# KiCad board traffic_paradise.kicad_pcb (continued)
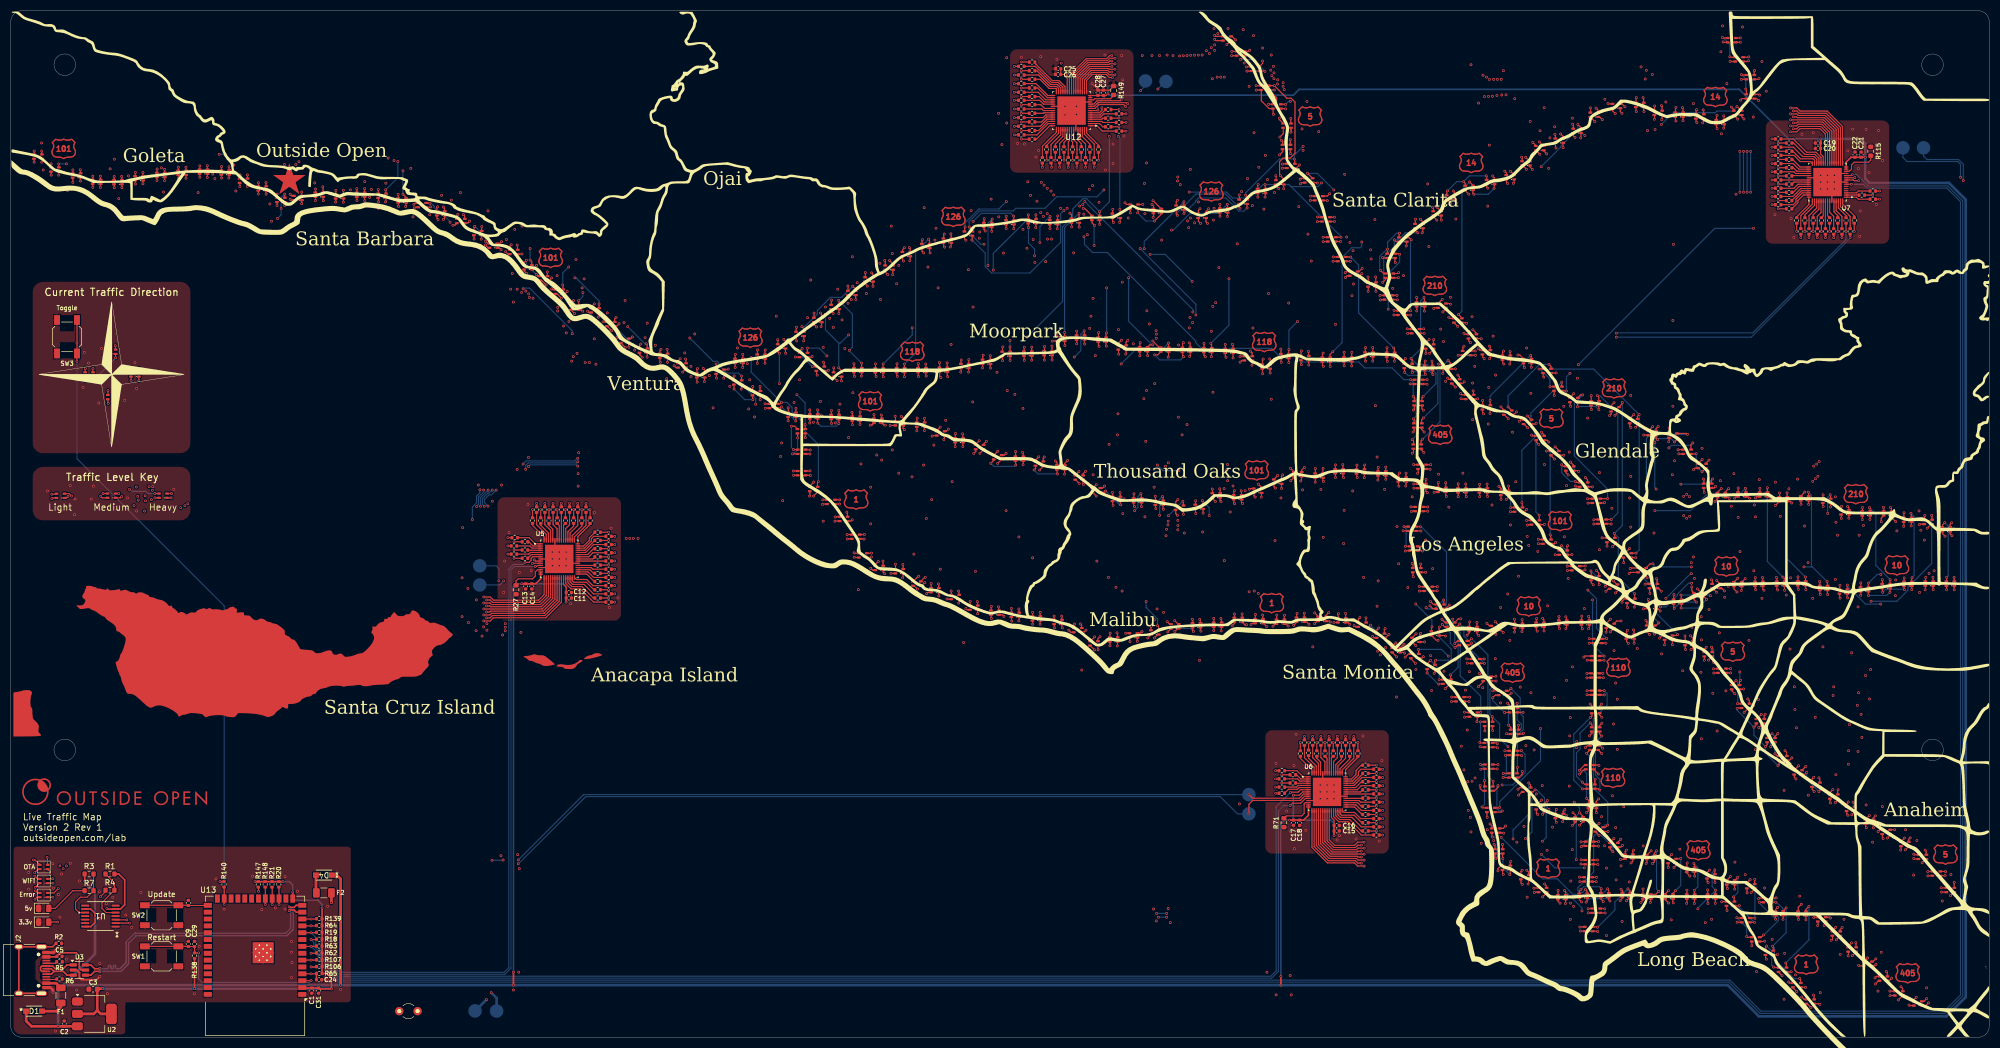
[diagram p0: board, top side]
## Routing (per net, layer and track width the routed paths; a pad name or vN(x,y) marks a point on that pad's centre or on a via; arc(x,y) is an arc through that point) (continued)
Net-(LED307-GK): length 238.7
  Top w0.203: 346.72,37.65 346.72,36.93 v1(346.85,36.8) ; 353.43,33.03 352.62,33.03 v1(352.52,33.13) ; 358.61,26.88 357.67,26.88 v1(357.65,26.9) ; 350.18,35.42 350.18,34.78 v1(350.08,34.68) ; 274.3,75.45 274.35,75.45 v1(275.12,74.68) ; 356.02,29.93 355.18,29.93 v1(355.15,29.9) ; R132.2 v1(338.46,149.36) ; 270.2,75.25 270.2,74.95 v1(269.77,74.53) ; 343.62,39.53 343.62,38.95 v1(343.75,38.83) ; v1(278.55,75.1) 278.6,75.15 278.6,75.85
  In1.Cu w0.203: v1(357.65,26.9) 355.15,29.4 v1(355.15,29.9) 352.52,32.53 v1(352.52,33.13) 351.62,33.13 v1(350.08,34.68) 348.98,34.68 v1(346.85,36.8) 345.77,36.8 v1(343.75,38.83) 338.15,38.83 325.63,51.35 325.63,51.57 317.72,59.48 v1(317.72,64.19) ; v1(278.55,75.1) 277.95,74.5 275.3,74.5 v1(275.12,74.68)
  In2.Cu w0.203: v1(275.12,74.68) 274.78,75.02 270.27,75.02 v1(269.77,74.53) ; v1(278.55,75.1) 280.32,73.33 289.8,73.33 294.54,68.6 307.64,68.6 310.52,65.72 316.2,65.72 v1(317.72,64.19) ; v1(346.85,36.8) 346.85,40.3 345.5,41.65 345.5,98.36 337.26,106.6 337.26,110.4 337.26,110.41 337.26,147.06 338.46,148.25 v1(338.46,149.36)
Net-(LED307-RK): length 236.5
  Top w0.203: v1(279.95,75.18) 280,75.23 280,75.85 ; 345.02,39.53 345.02,38.83 v1(345.05,38.8) ; 354.83,33.03 354.78,33.03 v1(354.08,32.33) ; 348.12,37.65 348.12,37.4 v1(347.65,36.93) ; v1(358.35,29.98) 358.31,29.93 357.42,29.93 ; R131.2 v1(337.69,148.21) ; 271.6,75.25 271.6,74.8 v1(271.93,74.48) ; v1(359.33,26.25) 359.96,26.88 360.01,26.88 ; v1(276.48,75.03) 276.05,75.45 275.7,75.45 ; v1(350.95,34.73) 351.58,35.35 351.58,35.42
  In1.Cu w0.203: v1(276.48,75.03) 277.07,75.62 279.51,75.62 v1(279.95,75.18) ; 337.69,148.19 v1(337.69,148.21) ; v1(358.35,29.98) 359.33,29 v1(359.33,26.25) ; v1(350.95,34.73) 348.75,36.93 v1(347.65,36.93) 347.21,37.37 345.9,37.37 345.05,38.22 v1(345.05,38.8) 342.1,41.75 341.42,41.75 339.49,43.68 339,43.68 335.11,47.56 332.62,47.56 330.08,50.1 330.08,50.54 326.1,54.51 325.16,54.51 320.54,59.14 320.54,61.1 320.81,61.37 320.81,63.9 v1(318.63,66.08)
  In2.Cu w0.203: v1(279.95,75.18) 281.06,74.06 289.59,74.06 294.69,68.96 307.79,68.96 310.67,66.08 v1(318.63,66.08) ; v1(358.35,29.98) 356,32.33 v1(354.08,32.33) 354.08,33.11 352.46,34.73 v1(350.95,34.73) ; v1(337.69,148.21) 336.89,147.42 336.89,110.26 336.9,110.25 336.9,106.45 345.14,98.21 345.14,41.5 344.89,41.25 344.89,38.96 v1(345.05,38.8) ; v1(276.48,75.03) 275.6,74.15 272.25,74.15 v1(271.93,74.48)
Net-(LED318-BK): length 191.1
  Top w0.203: v1(345.35,11) 345.62,11.28 346.21,11.28 ; v1(331.77,7.45) 332.22,7.01 332.65,7.01 ; 349.06,8.53 348.12,8.53 v1(348.1,8.55) ; 343.32,14.02 v1(343.98,14.68) ; 330.16,10.06 329.52,10.06 v1(329.35,10.23) ; R67.2 v1(241.17,55.76) ; 334.78,22.25 334.07,22.25 v1(334,22.18) ; 340.42,16.66 340.42,16.92 v1(340.98,17.48) ; 352.56,6.65 352.56,6.99 v1(352.98,7.4) ; 337.48,19.61 337.48,19.78 v1(338.08,20.38)
  In1.Cu w0.203: 241.17,55.78 v1(241.17,55.76) ; v1(329.35,10.23) 329.88,10.23 331.77,8.33 v1(331.77,7.45) ; v1(348.1,8.55) 345.65,11 v1(345.35,11) 343.98,12.37 v1(343.98,14.68) 343.77,14.68 v1(340.98,17.48) v1(338.08,20.38) 336.86,21.59 334.59,21.59 v1(334,22.18)
  In2.Cu w0.203: v1(348.1,8.55) 351.83,8.55 v1(352.98,7.4) ; v1(241.17,55.76) 241.18,55.76 243.16,57.73 243.16,66.52 250.29,73.65 255.02,73.65 257.69,76.31 261.49,76.31 263.23,74.57 263.23,72.75 276.89,59.09 280.69,59.09 288,51.78 303.27,51.78 306.9,48.15 306.9,48.13 331.62,23.41 334.56,23.41 337.59,20.39 337.59,20.38 v1(338.08,20.38) ; v1(329.35,10.23) 331.47,10.23 332.44,11.19 345.16,11.19 v1(345.35,11)
Net-(LED318-GK): length 190.1
  Top w0.203: v1(337.23,17.98) 337.48,18.23 337.48,18.81 ; 334.78,21.45 334.78,20.76 v1(334.73,20.7) ; v1(351.65,5.95) 351.75,5.85 352.56,5.85 ; v1(345.4,9.85) 346.02,10.48 346.21,10.48 ; v1(340.38,15.08) 340.42,15.12 340.42,15.86 ; v1(330.85,8.45) 330.16,9.14 330.16,9.26 ; v1(333.48,5.53) 332.79,6.21 332.65,6.21 ; v1(342.33,13.3) 342.41,13.22 343.32,13.22 ; 349.06,7.73 348.16,7.73 v1(348.12,7.7) ; R66.2 v1(241.94,54.61)
  In1.Cu w0.203: v1(330.85,8.45) 330.85,7.59 332.91,5.53 v1(333.48,5.53) ; v1(351.65,5.95) 349.88,5.95 v1(348.12,7.7) 345.98,9.85 v1(345.4,9.85) 345.4,10.23 v1(342.33,13.3) 342.15,13.3 v1(340.38,15.08) 337.48,17.98 v1(337.23,17.98)
  In2.Cu w0.203: 337.23,18.44 v1(337.23,17.98) ; 337.23,18.44 334.97,20.7 v1(334.73,20.7) ; 337.23,18.44 337.23,20.24 334.41,23.05 331.46,23.05 303.1,51.41 287.85,51.41 280.54,58.73 276.74,58.73 262.86,72.6 262.86,74.42 261.34,75.95 258.09,75.95 255.39,73.25 250.4,73.25 243.52,66.37 243.52,57.31 241.94,55.72 v1(241.94,54.61) ; v1(345.4,9.85) 344.43,10.82 333.22,10.82 v1(330.85,8.45)
Net-(LED318-RK): length 192.4
  Top w0.203: 331.56,9.26 332.44,9.26 v1(332.48,9.23) ; 336.18,21.45 336.18,20.93 v1(335.93,20.68) ; v1(338.18,18.05) 338.88,18.75 338.88,18.81 ; v1(341.12,15.1) 341.82,15.8 341.82,15.86 ; v1(335.12,6.1) 335.02,6.21 334.05,6.21 ; v1(355.24,6.36) 354.73,5.85 353.96,5.85 ; 347.61,10.48 347.98,10.48 v1(348.45,10.95) ; 350.46,7.73 350.46,7.68 v1(349.68,6.9) ; 344.72,13.22 345.24,13.22 v1(345.52,13.5) ; R61.2 v1(242.7,55.76)
  In1.Cu w0.203: v1(345.52,13.5) 345.52,13.34 347.91,10.95 v1(348.45,10.95) 348.45,9.75 349.68,8.53 v1(349.68,6.9) ; v1(335.93,20.68) 338.18,18.43 v1(338.18,18.05) v1(341.12,15.1) ; v1(242.7,55.76) 242.7,55.78 ; v1(335.12,6.1) 334.87,6.1 332.48,8.5 v1(332.48,9.23)
  In2.Cu w0.203: v1(242.7,55.76) 243.89,56.95 243.89,66.22 250.42,72.75 255.4,72.75 258.2,75.55 261.22,75.55 261.69,75.09 261.69,75.06 262.5,74.25 262.5,72.45 276.59,58.36 280.39,58.36 287.7,51.05 302.95,51.05 331.31,22.69 334.26,22.69 335.93,21.03 v1(335.93,20.68) ; v1(341.12,15.1) 342.68,15.1 345.16,12.62 346.66,12.62 347.3,13.26 347.3,13.57 347.08,13.79 345.81,13.79 v1(345.52,13.5) ; v1(355.24,6.36) 355.15,6.27 352.65,6.27 352.02,6.9 v1(349.68,6.9) 335.93,6.9 v1(335.12,6.1)
Net-(LED325-BK): length 256.6
  Top w0.203: v1(4.55,27.14) 4.94,26.75 5.4,26.75 ; v1(7.6,100.65) 8.37,100.65 8.47,100.75 8.5,100.75 ; 18,127.45 v1(18,128.32) ; v1(13.83,123.95) 13.8,123.93 13.8,123.25 ; 5.4,31.95 4.5,32.85 v1(4.2,32.85) ; 18,119.05 v1(18,119.85) ; v1(17.08,100.76) 17.1,100.78 17.97,100.78 ; v1(26.68,100.78) 26.68,100.78 27.49,100.78 ; 22.3,123.25 v1(22.3,124.1) ; R51.2 v1(110.74,89.03)
  In1.Cu w0.203: 13.83,122.58 15.27,122.58 ; 13.83,122.58 13.83,123.94 v1(13.83,123.95) ; 13.83,122.58 13.26,122.01 13.26,121.51 18.9,115.87 18.9,102.36 17.29,100.76 v1(17.08,100.76) ; 15.27,122.58 16.1,123.41 16.1,124.73 18.85,127.48 ; 15.27,122.58 v1(18,119.85) ; v1(110.74,89.03) 112.35,89.03 114.3,90.99 114.3,92.09 114.01,92.39 v1(114.01,92.45) ; v1(18,128.32) 18.85,127.48 ; 18.85,127.48 22.23,124.1 v1(22.3,124.1)
  In2.Cu w0.203: 4.61,27.14 v1(4.55,27.14) 4.49,27.14 3.91,27.71 3.91,32.56 v1(4.2,32.85) 4.2,33.31 3.51,34 3.51,93.87 7,97.36 7,100.05 v1(7.6,100.65) 8.48,101.53 16.3,101.53 ; v1(105.04,105.85) 105.8,105.09 105.8,101.14 114.01,92.93 v1(114.01,92.45) ; 16.3,101.53 v1(22,101.53) ; 16.3,101.53 v1(17.08,100.76) ; v1(95.89,105.78) 95.17,105.78 94.87,105.48 94.87,105.06 90.34,100.54 34.09,100.54 33.73,100.9 31.45,100.9 30,99.45 28,99.45 v1(26.68,100.78)
  Bottom w0.203: v1(22,101.53) 22.36,101.17 25,101.17 25.4,100.78 v1(26.68,100.78) ; v1(95.89,105.78) 96.19,106.09 104.8,106.09 v1(105.04,105.85)
Net-(LED325-GK): length 257.5
  Top w0.203: 111.25,88.27 v1(111.89,88.27) ; v1(16.63,100.28) 16.93,99.98 17.97,99.98 17.87,99.88 ; 13.8,122.45 13.8,121.75 v1(13.78,121.73) ; 22.3,122.45 22.3,121.75 v1(22.28,121.73) ; v1(17.98,125.88) 18,125.9 18,126.65 ; v1(26.7,99.98) 26.7,99.98 27.49,99.98 27.4,99.88 ; v1(18.05,117.48) 18,117.53 18,118.25 ; 5.4,31.15 5.08,31.15 v1(4.43,30.5) ; 8.5,99.95 7.7,99.95 v1(7.6,99.85) ; v1(4.48,25.58) 4.85,25.95 5.4,25.95
  In1.Cu w0.203: v1(13.78,121.73) 18.03,117.48 v1(18.05,117.48) 21.53,120.95 21.53,121.73 ; v1(17.98,125.88) 21.53,122.32 21.53,121.73 ; v1(111.89,88.27) 112.1,88.27 114.67,90.84 v1(114.67,92.45) ; 21.53,121.73 v1(22.28,121.73) ; v1(16.63,100.28) 16.71,100.19 17.24,100.19 19.6,102.55 26.59,102.55 27.4,101.74 27.4,100.68 v1(26.7,99.98)
  In2.Cu w0.203: v1(4.43,30.5) 4.71,30.79 4.71,33.31 3.87,34.15 3.87,93.72 7.6,97.45 v1(7.6,99.85) 8.92,101.17 15.73,101.17 v1(16.63,100.28) ; v1(4.43,30.5) 4.52,30.5 5.06,29.96 5.06,26.16 v1(4.48,25.58) ; v1(4.43,30.5) 4.39,30.5 ; v1(26.7,99.98) 23.82,102.85 23.19,102.85 16.8,109.24 16.8,116.02 18.05,117.27 v1(18.05,117.48) ; v1(26.7,99.98) 27.59,99.09 30.15,99.09 31.6,100.54 33.57,100.54 33.94,100.17 90.49,100.17 95.38,105.06 v1(95.38,105.27) ; v1(26.7,99.98) 26.7,100.08 ; v1(114.67,92.45) 114.67,92.78 106.2,101.25 106.2,105.48 v1(105.04,106.65)
  Bottom w0.203: v1(105.04,106.65) 104.84,106.45 95.83,106.45 95.38,106 v1(95.38,105.27)
Net-(LED325-RK): length 259.5
  Top w0.203: 19.4,126.65 v1(19.4,125.93) ; 19.37,99.98 20.33,99.98 v1(20.56,100.21) ; v1(7.26,30.17) 7.26,30.69 6.8,31.15 ; 19.4,118.25 19.4,117.6 v1(19.3,117.5) ; 9.9,99.95 10.31,99.95 v1(10.6,100.24) ; v1(23.73,121.75) 23.7,121.78 23.7,122.45 ; 28.89,99.98 29.7,99.98 v1(29.7,99.98) ; 15.2,122.45 v1(15.2,121.65) ; R49.2 v1(110.74,87.51) ; 6.8,25.95 v1(7.8,25.95)
  In1.Cu w0.203: v1(19.4,125.93) 23.55,121.78 23.55,121.75 ; 23.55,121.75 v1(23.73,121.75) ; 23.55,121.75 v1(19.3,117.5) 19.3,103.55 19.94,102.91 26.74,102.91 29.68,99.98 v1(29.7,99.98) ; v1(110.74,87.51) 111.85,87.51 115.03,90.69 115.03,92.09 115.33,92.39 v1(115.33,92.45) ; v1(26.23,101.38) 24.05,101.38 23.52,100.86 v1(23.52,100.25) ; 104.97,107.31 v1(105.04,107.31)
  In2.Cu w0.203: v1(23.52,100.25) 23.28,100.49 20.84,100.49 v1(20.56,100.21) 20.11,99.76 16.29,99.76 15.24,100.81 11.05,100.81 10.6,100.35 v1(10.6,100.24) 10.6,99.93 4.24,93.57 4.24,34.3 7.26,31.27 v1(7.26,30.17) 7.26,26.49 v1(7.8,25.95) ; v1(26.23,101.38) 28.29,101.38 v1(29.7,99.98) 30.01,99.98 31.3,101.27 33.88,101.27 34.24,100.9 90.19,100.9 94.5,105.21 94.5,105.63 94.9,106.03 v1(94.9,106.24) ; v1(115.33,92.45) 115.33,92.64 106.56,101.4 106.56,105.89 105.14,107.31 v1(105.04,107.31) ; v1(110.74,87.51) 110.8,87.45
  Bottom w0.203: v1(15.2,121.65) 19.4,125.85 v1(19.4,125.93) ; v1(94.9,106.24) 95.47,106.81 104.47,106.81 104.97,107.31 v1(105.04,107.31)
Net-(LED332-BK): length 144.9
  Top w0.203: v1(152.45,124.08) 152.46,124.06 152.46,123.24 ; v1(160.18,124.8) 160.18,124.79 160.18,124 ; v1(172.03,125.05) 172.07,125 172.07,124.1 ; R152.2 v1(206.6,171.15) ; v1(164.18,124.83) 164.15,124.8 164.15,124.05 ; v1(156.2,124.83) 156.22,124.8 156.22,124.05 ; 149.26,124.31 148.48,124.31 v1(148.48,124.3) ; v1(146.6,127.68) 146.16,127.24 146.16,126.85 ; v1(168.12,124.85) 168.11,124.83 168.11,124.05 ; 138.3,126.55 138.3,127.35 v1(138.35,127.4)
  In1.Cu w0.203: v1(156.2,124.83) 156.63,124.4 159.77,124.4 v1(160.18,124.8) 160.71,125.33 163.67,125.33 v1(164.18,124.83)
  In2.Cu w0.203: 172.81,123.57 172.81,124.26 v1(172.03,125.05) ; 172.81,123.57 169.4,123.57 v1(168.12,124.85) 167.52,124.25 164.75,124.25 v1(164.18,124.83) ; 172.81,123.57 172.81,122.25 173.15,121.91 210.09,121.91 213.53,125.35 213.53,129.25 214.52,130.25 214.52,148.46 214.15,148.82 214.15,167.5 210.94,170.71 207.04,170.71 v1(206.6,171.15) ; v1(146.6,127.68) 146.35,127.92 138.87,127.92 v1(138.35,127.4) ; v1(156.2,124.83) 153.2,124.83 v1(152.45,124.08) 152.23,124.3 v1(148.48,124.3)
  Bottom w0.203: v1(148.48,124.3) 146.6,126.18 v1(146.6,127.68)
Net-(LED332-GK): length 145.6
  Top w0.203: v1(168.15,122.48) 168.11,122.52 168.11,123.25 ; 138.3,125.75 v1(138.3,124.9) ; 160.18,123.2 160.18,122.59 v1(160.3,122.48) ; v1(164.25,122.5) 164.15,122.6 164.15,123.25 ; v1(153.08,121.7) 152.46,122.31 152.46,122.44 ; v1(145.35,126.08) 145.38,126.05 146.16,126.05 ; v1(172.3,122.25) 172.07,122.48 172.07,123.3 ; v1(156.3,122.5) 156.22,122.58 156.22,123.25 ; 149.26,123.51 149.26,122.84 v1(149.38,122.73) ; R151.2 v1(205.3,171.95)
  In1.Cu w0.203: v1(145.35,126.08) 145.68,126.08 149.03,122.73 v1(149.38,122.73)
  In2.Cu w0.203: v1(164.25,122.5) 164.25,122.94 ; 164.25,122.94 167.69,122.94 167.72,122.9 ; 164.25,122.94 160.3,122.94 ; 160.3,122.94 160.15,123.09 156.89,123.09 v1(156.3,122.5) 153.88,122.5 v1(153.08,121.7) 152.05,122.73 v1(149.38,122.73) ; 160.3,122.94 v1(160.3,122.48) ; 167.72,122.9 167.9,123.08 171.47,123.08 v1(172.3,122.25) 173,121.55 210.24,121.55 213.89,125.2 213.89,129.1 214.88,130.1 214.88,148.61 214.52,148.97 214.52,167.65 211.09,171.08 207.4,171.08 206.52,171.95 v1(205.3,171.95) ; 167.72,122.9 v1(168.15,122.48) ; v1(138.3,124.9) 139.48,126.08 v1(145.35,126.08)
Net-(LED332-RK): length 140.5
  Top w0.203: v1(161.62,122.43) 161.58,122.47 161.58,123.2 ; v1(153.88,121.65) 153.86,121.66 153.86,122.44 ; 169.51,123.25 169.51,122.62 v1(169.58,122.55) ; 147.56,126.05 148.32,126.05 v1(148.45,126.18) ; 139.7,125.75 139.7,124.95 v1(139.73,124.93) ; 165.55,123.25 165.55,122.45 v1(165.53,122.43) ; 157.62,123.25 157.62,122.62 v1(157.55,122.55) ; 173.47,123.3 173.47,122.53 v1(173.58,122.43) ; 150.66,123.51 151.36,123.51 v1(151.48,123.62) ; R150.2 v1(205.3,170.35)
  In1.Cu w0.203: 169.68,122.66 168.96,121.94 166.01,121.94 v1(165.53,122.43) 164.92,123.03 162.23,123.03 v1(161.62,122.43) 161.14,121.94 158.16,121.94 v1(157.55,122.55) 156.65,121.65 v1(153.88,121.65) 151.9,123.62 v1(151.48,123.62) 151,123.62 v1(148.45,126.18) ; 169.68,122.66 v1(169.58,122.55) ; 169.68,122.66 169.79,122.76 173.24,122.76 v1(173.58,122.43)
  In2.Cu w0.203: v1(148.45,126.18) 147.29,125.02 139.82,125.02 v1(139.73,124.93) ; v1(205.3,170.35) 210.79,170.35 213.79,167.35 213.79,148.67 214.16,148.31 214.16,130.4 213.16,129.4 213.16,125.5 209.94,122.28 173.72,122.28 v1(173.58,122.43)
Net-(LED338-BK): length 104.5
  Top w0.203: v1(227.58,156.1) 227.6,156.07 227.6,155.25 ; 207.4,154.35 206.7,154.35 v1(206.4,154.65) ; 176.7,149.35 176.7,150.1 v1(176.78,150.18) ; v1(165.55,146.32) 165.2,145.97 165.2,145.55 ; v1(211.4,154.35) 211.7,154.05 211.7,153.55 ; 204.1,152.65 204.1,153.4 v1(204.15,153.45) ; v1(198.68,153.61) 198.94,153.61 200.3,152.25 ; 158.3,140.85 v1(158.3,141.72) ; 215.9,154.15 215.9,154.9 v1(216.13,155.12) ; R164.2 v1(196.7,162.55)
  In1.Cu w0.203: v1(204.15,153.45) 203.56,154.04 199.11,154.04 v1(198.68,153.61) ; v1(158.3,141.72) 162.9,146.32 v1(165.55,146.32) ; v1(216.13,155.12) 214.45,153.45 212.3,153.45 v1(211.4,154.35) ; v1(190.1,154.96) 190.2,155.06 190.2,161.09 191.06,161.95 196.1,161.95 v1(196.7,162.55)
  In2.Cu w0.203: v1(216.13,155.12) 216.36,155.36 217.54,155.36 217.55,155.35 226.83,155.35 v1(227.58,156.1) ; v1(165.55,146.32) 168.03,148.8 171.39,148.8 172.76,150.18 v1(176.78,150.18) ; v1(190.1,154.96) 190.03,154.89 v1(184.42,154.89) ; 196.7,154.44 v1(196.7,162.55) ; 196.7,154.44 197.6,153.54 198.6,153.54 v1(198.68,153.61) ; v1(211.4,154.35) 210.85,153.8 207.25,153.8 v1(206.4,154.65) 205.35,154.65 v1(204.15,153.45)
  Bottom w0.203: v1(184.42,154.89) 183.04,153.51 179.34,153.51 176.78,150.95 v1(176.78,150.18)
Net-(LED338-GK): length 108.3
  Top w0.203: v1(216.1,152.35) 215.9,152.55 215.9,153.35 ; 204.1,151.85 204.1,151.2 v1(204.28,151.03) ; v1(207.38,152.8) 207.4,152.82 207.4,153.55 ; v1(165.38,143.88) 165.2,144.05 165.2,144.75 ; v1(200.78,150.47) 200.3,150.95 200.3,151.45 ; 227.6,154.45 227.6,153.75 v1(227.7,153.65) ; v1(176.93,147.72) 176.7,147.95 176.7,148.55 ; R163.2 v1(195.9,161.25) ; v1(211.61,151.96) 211.7,152.05 211.7,152.75 ; 158.3,140.05 158.3,139.6 v1(158.68,139.22)
  In1.Cu w0.203: v1(211.61,151.96) 212.28,152.62 215.83,152.62 v1(216.1,152.35) ; v1(158.68,139.22) 159.29,139.83 159.66,139.83 163.7,143.88 v1(165.38,143.88) ; v1(200.78,150.47) 199.94,149.64 196.36,149.64 195.45,150.55 195.45,152.75 195.69,152.99 v1(195.69,153.65)
  In2.Cu w0.203: v1(165.38,143.88) 168.59,147.09 173.12,147.09 173.76,147.72 v1(176.93,147.72) 178.18,146.47 180.51,146.47 180.79,146.76 v1(200.69,146.76) ; v1(211.61,151.96) 208.21,151.96 v1(207.38,152.8) 206.05,152.8 v1(204.28,151.03) 203.39,150.14 201.11,150.14 v1(200.78,150.47) ; v1(195.69,153.65) 195.69,153.94 196.34,154.59 196.34,160.81 v1(195.9,161.25)
  Bottom w0.203: v1(200.78,150.47) 200.69,150.38 v1(200.69,146.76) ; v1(227.7,153.65) 225.06,156.29 219.56,156.29 216.1,152.82 v1(216.1,152.35)
Net-(LED338-RK): length 116.2
  Top w0.203: 201.7,151.45 v1(201.7,150.68) ; 205.5,151.85 205.5,151.12 v1(205.43,151.05) ; 208.8,153.55 208.8,152.85 v1(208.75,152.8) ; 213.1,152.75 213.1,152.52 v1(211.87,151.28) ; v1(229.03,153.7) 229,153.72 229,154.45 ; v1(159.73,139.18) 159.7,139.2 159.7,140.05 ; R162.2 v1(195.1,162.55) ; 178.1,148.55 178.1,147.8 v1(178.05,147.75) ; v1(166.55,143.93) 166.6,143.97 166.6,144.75 ; v1(217.33,152.68) 217.3,152.7 217.3,153.35
  In1.Cu w0.203: v1(217.33,152.68) 216.49,151.84 212.42,151.84 v1(211.87,151.28) ; v1(178.05,147.75) 174.23,143.93 v1(166.55,143.93) 164.49,141.86 162.24,141.86 159.73,139.35 v1(159.73,139.18) ; v1(205.43,151.05) 204.89,151.59 202.61,151.59 v1(201.7,150.68) 200.3,149.28 196.21,149.28 195.09,150.4 v1(195.09,153.25)
  In2.Cu w0.203: v1(195.09,153.25) 195.09,153.94 195.97,154.82 195.97,160.45 195.1,161.33 v1(195.1,162.55) ; v1(211.87,151.28) 211.63,151.05 v1(205.43,151.05)
  Bottom w0.203: v1(229.03,153.7) 228.46,153.14 227.49,153.14 225.08,155.55 220.02,155.55 219.5,155.03 219.5,154.85 v1(217.33,152.68) ; v1(178.05,147.75) 178.1,147.75 180.51,145.34 180.51,142.84 181.7,141.65 188.8,141.65 194.49,147.34 194.49,152.65 v1(195.09,153.25) ; v1(211.87,151.28) 210.27,151.28 v1(208.75,152.8)
Net-(LED364-BK): length 124
  Top w0.203: v1(291.02,78.05) 291,78.03 291,77.25 ; 282.6,76.85 282.6,77.53 v1(282.68,77.6) ; v1(299.48,75.43) 299.3,75.25 299.3,74.65 ; v1(335.41,149.36) R136.2 ; 286.8,77.25 v1(286.8,77.98) ; 295.6,76.65 295.6,76.75 v1(296.32,77.48)
  In1.Cu w0.203: v1(296.32,77.48) 298.38,75.43 v1(299.48,75.43) ; v1(282.68,77.6) 283.18,77.1 285.92,77.1 v1(286.8,77.98) 287.38,77.4 290.37,77.4 v1(291.02,78.05)
  In2.Cu w0.203: v1(291.02,78.05) 292.24,79.27 296.32,79.27 ; v1(335.41,149.36) 335.41,147.92 335.81,147.53 335.81,106.77 326.95,97.91 308.86,97.91 306.78,95.83 306.78,92.21 301.43,86.86 301.43,85.74 296.32,80.64 296.32,79.27 ; 296.32,79.27 v1(296.32,77.48)
Net-(LED364-GK): length 124.1
  Top w0.203: v1(295.52,75.08) 295.6,75.15 295.6,75.85 ; 291,76.45 291,75.83 v1(291.12,75.7) ; R135.2 v1(336.17,148.21) ; v1(286.9,75.75) 286.8,75.85 286.8,76.45 ; v1(299.65,73) 299.3,73.35 299.3,73.85 ; v1(282.77,75.28) 282.6,75.45 282.6,76.05
  In1.Cu w0.203: v1(299.65,73) 299.28,73.37 297.23,73.37 v1(295.52,75.08) 291.75,75.08 v1(291.12,75.7) 290.64,75.21 287.44,75.21 v1(286.9,75.75)
  In2.Cu w0.203: v1(282.77,75.28) 283.34,75.84 286.81,75.84 v1(286.9,75.75) ; v1(295.52,75.08) 296.84,76.39 296.84,80.64 301.79,85.59 301.79,86.71 307.14,92.06 307.14,95.68 309.01,97.55 327.1,97.55 336.17,106.62 v1(336.17,148.21)
Net-(LED364-RK): length 126.6
  Top w0.203: 284,76.05 284,75.33 v1(284.02,75.3) ; 300.7,73.85 300.7,73.05 v1(300.73,73.03) ; v1(292.27,75.73) 292.4,75.85 292.4,76.45 ; v1(296.32,75.12) 297,75.8 297,75.85 ; v1(336.93,149.36) R134.2 ; 288.2,76.45 288.2,75.85 v1(288.07,75.73)
  In1.Cu w0.203: v1(292.27,75.73) 291.75,76.25 288.6,76.25 v1(288.07,75.73) ; v1(296.32,75.12) 296.32,74.79 297.38,73.74 300.01,73.74 v1(300.73,73.03) ; 337,149.29 v1(336.93,149.36)
  In2.Cu w0.203: v1(288.07,75.73) 287.56,75.21 284.12,75.21 v1(284.02,75.3) ; v1(292.27,75.73) 293.48,74.52 295.72,74.52 v1(296.32,75.12) 297.2,76 297.2,80.48 302.15,85.44 302.15,86.56 307.5,91.91 307.5,95.53 309.16,97.18 327.25,97.18 336.54,106.47 336.54,109.77 336.53,109.78 336.53,147.62 336.93,148.02 v1(336.93,149.36)
Net-(LED369-BK): length 142.4
  Top w0.203: v1(292.2,23.8) 292.25,23.85 293,23.85 ; 292.9,70.65 291.6,70.65 v1(291.4,70.45) ; 292.6,54.05 292.07,54.05 v1(291.7,53.68) ; 291.6,20.45 290.7,20.45 v1(290.68,20.43) ; 291.7,32.85 290.93,32.85 v1(290.9,32.88) ; 291.5,29.65 290.62,29.65 v1(290.6,29.68) ; v1(292.43,73.88) 292.45,73.85 293.3,73.85 ; R57.2 v1(238.89,54.61) ; 291.8,36.25 290.93,36.25 v1(290.88,36.2) ; v1(292,64.23) 292.02,64.25 292.9,64.25
  In1.Cu w0.203: v1(292.43,73.88) 291.86,73.31 291.86,70.91 v1(291.4,70.45) 291.46,70.39 291.46,68.93 292.5,67.89 292.5,64.73 v1(292,64.23) 291.26,63.48 291.26,56.93 291.49,56.71 291.49,53.89 v1(291.7,53.68) ; v1(290.68,20.43) 290.68,22.28 v1(292.2,23.8) 292.34,23.94 292.34,27.47 291.65,28.17 290.59,28.17 290.14,28.62 290.14,29.21 v1(290.6,29.68) 290.78,29.85 290.78,30.88 290.36,31.29 290.36,32.31 290.9,32.85 v1(290.9,32.88) 290.37,33.4 290.37,35.7 v1(290.88,36.2) 290.07,37.01 290.07,42.91 290.13,42.97 290.13,43.76 290.07,43.83 v1(290.07,53.68)
  In2.Cu w0.203: v1(291.7,53.68) v1(290.07,53.68) ; v1(238.89,54.61) 238.89,55.72 242.07,58.9 242.07,66.97 251.01,75.91 251.01,76.24 253.65,78.88 287.85,78.88 288.59,78.14 288.59,77.35 292.06,73.88 v1(292.43,73.88)
Net-(LED369-GK): length 136.2
  Top w0.203: 291.6,19.65 290.77,19.65 v1(290.75,19.68) ; v1(292,63.48) 292.02,63.45 292.9,63.45 ; v1(292.02,69.9) 292.07,69.85 292.9,69.85 ; 292.6,53.25 292.55,53.25 v1(291.93,52.63) ; v1(290.68,28.83) 290.7,28.85 291.5,28.85 ; v1(292.4,73.03) 292.43,73.05 293.3,73.05 ; R56.2 v1(239.65,55.76) ; v1(290.93,35.33) 291.05,35.45 291.8,35.45 ; 293,23.05 v1(292.23,23.05) ; v1(290.88,32.1) 290.93,32.05 291.7,32.05
  In1.Cu w0.203: v1(290.93,35.33) 291.45,34.8 291.45,32.68 v1(290.88,32.1) 290.88,31.29 291.14,31.03 291.14,28.98 ; v1(290.75,19.68) 292.23,21.15 v1(292.23,23.05) 292.71,23.54 292.71,27.61 291.35,28.98 291.14,28.98 ; v1(292.4,73.03) 292.46,72.97 292.46,70.33 v1(292.02,69.9) 292.88,69.04 292.88,64.36 v1(292,63.48) 291.65,63.13 291.65,57.06 291.91,56.8 291.91,55.38 292.26,55.03 292.26,52.96 v1(291.93,52.63) ; 291.14,28.98 290.83,28.98 v1(290.68,28.83)
  In2.Cu w0.203: v1(292.4,73.03) 288.21,77.21 286.75,77.21 285.45,78.51 254.76,78.51 251.8,75.55 251.16,75.55 242.43,66.82 242.43,58.54 v1(239.65,55.76)
  Bottom w0.203: v1(290.93,35.33) 292.45,36.85 292.45,52.1 v1(291.93,52.63)
Net-(LED369-RK): length 141.2
  Top w0.203: 293,19.65 293.9,19.65 v1(293.98,19.58) ; 294,53.25 294.05,53.25 v1(294.73,52.58) ; 294.7,73.05 295.48,73.05 v1(295.5,73.03) ; 294.4,23.05 295.32,23.05 v1(295.35,23.03) ; v1(294.1,35.43) 294.07,35.45 293.2,35.45 ; R55.2 v1(240.41,54.61) ; v1(294,32) 293.95,32.05 293.1,32.05 ; 294.3,69.85 295.12,69.85 v1(295.15,69.88) ; v1(293.7,28.83) 293.68,28.85 292.9,28.85 ; 294.3,63.45 v1(295.2,63.45)
  In1.Cu w0.203: v1(295.15,69.88) 295.55,69.47 295.55,65.37 294.62,64.44 294.62,64.03 v1(295.2,63.45) 294.12,62.37 294.12,53.18 v1(294.73,52.58) 295.2,52.1 295.2,36.52 v1(294.1,35.43) 293.4,34.73 293.4,32 ; v1(293.98,19.58) 295.35,20.95 v1(295.35,23.03) 295.22,23.03 293.7,24.55 v1(293.7,28.83) 293.21,29.31 293.21,31.81 293.4,32 ; 293.4,32 v1(294,32)
  In2.Cu w0.203: v1(240.41,54.61) 240.41,55.72 242.79,58.1 242.8,58.1 242.8,66.67 251.29,75.16 251.93,75.16 254.91,78.15 285.3,78.15 286.6,76.85 287.85,76.85 292.97,71.73 ; v1(295.15,69.88) 294.83,69.88 292.97,71.73 ; v1(295.5,73.03) 294.2,71.73 292.97,71.73
Net-(LED384-BK): length 182.1
  Top w0.203: v1(257.27,149.03) 257.18,148.93 257.18,148.25 ; 260.18,150.75 260.18,151.57 v1(260.23,151.62) ; v1(273.32,159.65) 273.43,159.55 273.43,158.9 ; v1(269.12,158.57) 269.45,158.25 269.45,157.82 ; 263.55,153.1 263.55,153.65 v1(263.35,153.85) ; 254.68,141.55 254.32,141.55 v1(253.78,142.1) ; v1(266.15,156.88) 266.02,156.75 266.02,156.07 ; v1(276.77,160.53) 277.07,160.23 277.07,159.8 ; 255,145.22 255,146.03 v1(255.05,146.07) ; 188.69,174.35 v1(187.2,174.35)
  In1.Cu w0.203: v1(221.48,182.85) 222.3,182.85 222.75,182.4 223.16,182.4 228.21,177.35 233.67,177.35 v1(234,177.68) ; v1(266.15,156.88) 263.35,154.07 v1(263.35,153.85) 262.45,153.85 v1(260.23,151.62) 257.62,149.03 v1(257.27,149.03) ; v1(272.73,178.31) 272.73,177.46 273.61,176.58 273.61,174.98 273,174.37 v1(273,174.35)
  In2.Cu w0.203: v1(187.2,174.35) 185.98,174.35 182.48,177.84 178.6,177.84 176.29,180.15 176.29,183.26 178.51,185.47 218.78,185.47 221.4,182.85 v1(221.48,182.85) ; v1(234,177.68) 234.19,177.68 234.67,178.16 272.58,178.16 v1(272.73,178.31) ; v1(273,174.35) 278.47,168.88 278.47,162.22 v1(276.77,160.53) 275.35,159.1 273.87,159.1 v1(273.32,159.65)
  Bottom w0.203: v1(253.78,142.1) 253.59,142.28 253.59,144.72 254.94,146.07 v1(255.05,146.07) 255.05,147.36 256.72,149.03 v1(257.27,149.03) ; v1(266.15,156.88) 267.85,158.57 v1(269.12,158.57) 270.2,159.65 v1(273.32,159.65)
Net-(LED384-GK): length 184.1
  Top w0.203: 254.68,140.75 254.68,140.45 v1(254.15,139.93) ; v1(260.65,149.1) 260.18,149.57 260.18,149.95 ; 269.45,157.03 269.45,156.9 v1(270.1,156.25) ; R181.2 v1(185.9,175.15) ; 266.02,155.28 266.05,155.28 v1(266.77,154.55) ; v1(256.3,147.8) 256.65,147.45 257.18,147.45 ; 255,144.43 254.2,144.43 v1(254.12,144.5) ; v1(277.27,158.25) 277.07,158.45 277.07,159 ; v1(264.18,151.45) 263.55,152.07 263.55,152.3 ; 273.43,158.1 273.43,157.57 v1(273.62,157.38)
  In1.Cu w0.203: v1(273.37,177.95) 273.37,177.33 273.97,176.73 273.97,174.62 v1(273.73,174.38) ; v1(222.03,182.34) 222.33,182.04 223,182.04 228.06,176.99 234.22,176.99 v1(234.69,177.45) ; v1(260.65,149.1) 261.37,149.82 262.54,149.82 v1(264.18,151.45) 264.18,151.95 v1(266.77,154.55) 268.48,156.25 v1(270.1,156.25)
  In2.Cu w0.203: v1(185.9,175.15) 182.84,178.21 178.75,178.21 176.66,180.3 176.66,183.11 178.66,185.11 218.34,185.11 220.89,182.56 220.91,182.56 221.14,182.34 v1(222.03,182.34) ; 278.06,159.03 275.79,156.76 274.24,156.76 v1(273.62,157.38) 271.23,157.38 v1(270.1,156.25) ; 278.06,159.03 278.84,159.81 278.84,169.03 273.73,174.14 v1(273.73,174.38) ; 278.06,159.03 v1(277.27,158.25) ; v1(273.37,177.95) 273.22,177.8 235.03,177.8 v1(234.69,177.45)
  Bottom w0.203: v1(254.15,139.93) 254.34,140.11 254.34,144.29 254.18,144.45 ; 254.18,144.45 v1(254.12,144.5) ; 254.18,144.45 256.3,146.57 v1(256.3,147.8) 257.02,147.8 258.32,149.1 v1(260.65,149.1)
Net-(LED384-RK): length 185.6
  Top w0.203: v1(278.35,158.28) 278.48,158.4 278.48,159 ; v1(274.77,157.32) 274.82,157.38 274.82,158.1 ; v1(271.02,156.25) 270.85,156.43 270.85,157.03 ; v1(261.45,149.1) 261.57,149.22 261.57,149.95 ; v1(267.8,154.6) 267.43,154.97 267.43,155.28 ; v1(257.05,140.78) 257.02,140.75 256.07,140.75 ; 188.69,175.95 v1(187.2,175.95) ; 258.57,147.45 258.57,146.72 v1(258.5,146.65) ; v1(265.02,151.45) 264.95,151.53 264.95,152.3 ; 256.4,144.43 256.4,143.68 v1(256.48,143.6)
  In1.Cu w0.203: v1(261.45,149.1) 262.68,149.1 v1(265.02,151.45) 267.8,154.22 v1(267.8,154.6) 269.38,154.6 v1(271.02,156.25) ; v1(220.7,182.05) 221.07,181.68 222.86,181.68 229.78,174.75 233.97,174.75 234.66,175.44 v1(234.66,176.68) ; v1(258.5,146.65) 258.01,146.65 256.48,145.11 v1(256.48,143.6) 256.48,141.35 v1(257.05,140.78) ; v1(274.46,174.41) 274.34,174.54 274.34,177.09 v1(273.9,177.52)
  In2.Cu w0.203: v1(258.5,146.65) 259.11,146.65 261.45,148.99 v1(261.45,149.1) ; v1(271.02,156.25) 276.32,156.25 v1(278.35,158.28) 279.2,159.12 279.2,169.18 274.46,173.92 v1(274.46,174.41) ; v1(234.66,176.68) 235.41,177.43 273.81,177.43 v1(273.9,177.52) ; v1(220.7,182.05) 218.01,184.74 178.81,184.74 177.02,182.95 177.02,180.45 178.9,178.57 183.28,178.57 185.9,175.95 v1(187.2,175.95)
  Bottom w0.203: v1(271.02,156.25) 273.7,156.25 v1(274.77,157.32)
Net-(LED393-BK): length 185.2
  Top w0.203: v1(286.05,167.35) 286.15,167.25 286.15,166.57 ; v1(292.62,172.25) 292.65,172.23 292.65,171.38 ; 296.75,173 295.95,173 v1(295.88,173.07) ; 280,162.38 280,163 v1(279.88,163.12) ; v1(289.35,169.23) 289.48,169.1 289.48,168.4 ; v1(301.12,174.15) 301.07,174.1 301.07,173.2 ; 308.38,171.4 308.38,172.23 v1(308.48,172.32) ; 282.55,165.2 282.55,165.25 v1(281.95,165.85) ; v1(304.52,172.6) 304.5,172.57 304.5,171.73 ; R185.2 v1(185.9,172.05)
  In1.Cu w0.203: v1(233.41,179.25) 232.61,178.45 228.7,178.45 223.21,183.94 v1(223,183.94) ; v1(276.1,177.55) 276.1,177.53 275.43,176.85 275.43,175.74 276,175.16 276.51,175.16 v1(277,174.67) ; v1(301.12,174.15) 302.68,172.6 v1(304.52,172.6) ; v1(279.88,163.12) 279.88,163.78 v1(281.95,165.85) 281.95,166.11 283.19,167.35 v1(286.05,167.35) 287.93,169.23 v1(289.35,169.23) 292.38,172.25 v1(292.62,172.25)
  In2.Cu w0.203: v1(286.05,167.35) 282.57,167.35 277,172.92 v1(277,174.67) ; v1(304.52,172.6) 305.01,172.11 308.26,172.11 v1(308.48,172.32) ; v1(223,183.94) 222.61,183.94 219.99,186.56 178.06,186.56 175.21,183.71 175.21,179.7 178.15,176.75 181.2,176.75 v1(185.9,172.05) ; v1(276.1,177.55) 276.1,177.57 274.13,179.55 272.22,179.55 271.92,179.25 v1(233.41,179.25) ; v1(301.12,174.15) 296.95,174.15 v1(295.88,173.07) 293.45,173.07 v1(292.62,172.25)
Net-(LED393-GK): length 186.5
  Top w0.203: R184.2 v1(187.2,172.85) ; 301.07,172.4 301.07,171.62 v1(301.12,171.57) ; 296.75,172.2 296.75,171.68 v1(297.23,171.2) ; 289.48,167.6 289.48,167.07 v1(289.77,166.78) ; 286.15,165.78 286.15,164.93 v1(286.25,164.82) ; 292.65,170.57 292.65,170.53 v1(293.45,169.73) ; v1(280.77,160.88) 280.07,161.57 280,161.57 ; v1(308.48,169.82) 308.38,169.93 308.38,170.6 ; 282.55,164.4 282.55,164.38 v1(283.25,163.68) ; v1(304.48,170.15) 304.5,170.18 304.5,170.93
  In1.Cu w0.203: v1(275.4,177.55) 275.4,177.53 275.06,177.19 275.06,175.59 276,174.65 v1(276.2,174.65) ; v1(301.12,171.57) 302.55,170.15 v1(304.48,170.15) 304.94,170.61 307.69,170.61 v1(308.48,169.82) ; v1(293.45,169.73) 292.73,169.73 v1(289.77,166.78) ; v1(280.77,160.88) 280.77,161.2 v1(283.25,163.68) 284.4,164.82 v1(286.25,164.82) ; v1(234.01,178.74) 233.41,178.74 232.76,178.09 228.55,178.09 223.21,183.43 v1(222.4,183.43)
  In2.Cu w0.203: v1(293.45,169.73) 294.93,171.2 v1(297.23,171.2) 297.8,171.78 300.92,171.78 v1(301.12,171.57) ; v1(234.01,178.74) 234.16,178.89 272.07,178.89 272.37,179.18 273.79,179.18 275.4,177.57 v1(275.4,177.55) ; 285.65,165.42 284.09,166.99 282.42,166.99 276.2,173.2 v1(276.2,174.65) ; 285.65,165.42 285.65,165.43 286.63,166.41 289.09,166.41 289.46,166.78 v1(289.77,166.78) ; 285.65,165.42 v1(286.25,164.82) ; v1(222.4,183.43) 219.63,186.2 178.21,186.2 175.57,183.56 175.57,179.85 178.3,177.12 181.71,177.12 185.98,172.85 v1(187.2,172.85)
Net-(LED393-RK): length 182.1
  Top w0.203: v1(302.55,171.57) 302.48,171.65 302.48,172.4 ; v1(294.82,170.07) 294.32,170.57 294.05,170.57 ; v1(284.52,163.73) 283.95,164.3 283.95,164.4 ; v1(287.57,164.88) 287.55,164.9 287.55,165.78 ; R183.2 v1(185.9,173.65) ; v1(298.48,171.25) 298.15,171.57 298.15,172.2 ; v1(290.82,166.7) 290.88,166.75 290.88,167.6 ; 305.9,170.93 305.9,170.12 v1(305.85,170.07) ; v1(281.88,160.85) 281.4,161.32 281.4,161.57 ; 309.77,170.6 v1(309.77,169.88)
  In1.Cu w0.203: v1(275.3,174.55) 274.7,175.15 v1(274.7,177.55) ; v1(281.88,160.85) 284.52,163.5 v1(284.52,163.73) ; v1(305.85,170.07) 306.69,169.24 309.14,169.24 v1(309.77,169.88) ; v1(233.61,178.21) 233.61,178.12 233.21,177.72 228.35,177.72 223.16,182.92 v1(223,182.92) ; v1(298.48,171.25) 297.3,170.07 v1(294.82,170.07) 294.82,169.63 291.81,166.61 290.92,166.61 v1(290.82,166.7) 289,164.88 v1(287.57,164.88)
  In2.Cu w0.203: v1(185.9,173.65) 182.07,177.48 178.45,177.48 175.93,180 175.93,183.41 178.36,185.83 219.27,185.83 222.19,182.92 v1(223,182.92) ; v1(305.85,170.07) 304.35,171.57 v1(302.55,171.57) 301.98,171.01 298.72,171.01 v1(298.48,171.25) ; v1(275.3,174.55) 275.3,173.59 282.27,166.62 283.94,166.62 284.52,166.04 284.52,164.11 ; v1(287.57,164.88) 286.81,164.11 284.52,164.11 ; v1(233.61,178.21) 234.21,178.21 234.52,178.52 272.22,178.52 272.52,178.82 273.43,178.82 v1(274.7,177.55) ; 284.52,164.11 v1(284.52,163.73)
Net-(LED402-BK): length 192.1
  Top w0.203: 188.69,179.15 v1(187.2,179.15) ; 315.98,170.03 315.98,170.78 v1(316.08,170.88) ; v1(317.08,185.3) 317.18,185.2 318.1,185.2 ; v1(321.4,175.73) 321.52,175.6 321.52,174.78 ; 321.55,178.35 320.68,178.35 v1(320.6,178.43) ; v1(318.73,172.4) 319.23,171.9 319.23,171.73 ; v1(312.3,171.93) 312.2,171.82 312.2,171.07 ; 319.48,181.65 318.52,181.65 v1(318.45,181.73)
  In1.Cu w0.203: v1(235.7,176.92) 235.62,176.92 235.02,176.32 235.02,175.29 234.09,174.35 229.67,174.35 226.97,177.05 221.9,177.05 217.9,181.05 v1(217.9,181.95) ; 320.13,178.43 v1(320.6,178.43) ; 320.13,178.43 317.97,180.58 317.97,181.24 v1(318.45,181.73) ; 320.13,178.43 318.73,177.02 v1(318.73,172.4) 317.6,172.4 v1(316.08,170.88) 314.56,172.39 312.76,172.39 v1(312.3,171.93)
  In2.Cu w0.203: v1(316.08,170.88) 309.94,177.01 235.79,177.01 v1(235.7,176.92) ; v1(187.2,179.15) 185.8,179.15 184.93,180.02 179.5,180.02 178.47,181.05 178.47,182.35 179.41,183.29 216.56,183.29 v1(217.9,181.95)
  Bottom w0.203: v1(318.45,181.73) 318.45,184.04 317.19,185.3 v1(317.08,185.3) ; v1(320.6,178.43) 321.4,177.62 v1(321.4,175.73)
Net-(LED402-GK): length 189
  Top w0.203: v1(312.35,169.53) 312.2,169.68 312.2,170.28 ; v1(318.5,180.88) 318.52,180.85 319.48,180.85 ; v1(317.2,184.48) 317.27,184.4 318.1,184.4 ; v1(316.1,168.43) 315.98,168.55 315.98,169.23 ; v1(320.45,173.7) 320.73,173.98 321.52,173.98 ; R187.2 v1(185.9,179.95) ; v1(319.93,170.18) 319.23,170.88 319.23,170.93 ; 321.55,177.55 v1(320.58,177.55)
  In1.Cu w0.203: v1(319.93,170.18) 320.45,170.7 v1(320.45,173.7) 320.58,173.82 v1(320.58,177.55) 321.14,178.12 321.14,178.7 318.73,181.11 ; 318.73,181.11 v1(318.5,180.88) ; 318.73,181.11 318.97,181.34 318.97,182.71 v1(317.2,184.48) ; v1(217.21,181.91) 217.21,181.15 221.71,176.65 226.85,176.65 229.52,173.99 234.24,173.99 235.39,175.14 235.39,175.96 v1(235.69,176.26)
  In2.Cu w0.203: 316.1,169.44 316.84,170.18 v1(319.93,170.18) ; 316.1,169.44 316.1,170.05 309.5,176.65 236.15,176.65 235.76,176.26 v1(235.69,176.26) ; 316.1,169.44 316.1,168.79 ; 316.1,168.79 313.09,168.79 v1(312.35,169.53) ; 316.1,168.79 v1(316.1,168.43) ; v1(217.21,181.91) 216.2,182.93 179.56,182.93 178.84,182.2 178.84,181.2 179.65,180.39 185.46,180.39 v1(185.9,179.95)
Net-(LED402-RK): length 185.5
  Top w0.203: 319.5,184.4 320.38,184.4 v1(320.4,184.43) ; 317.38,169.23 317.38,168.55 v1(317.33,168.5) ; 320.88,180.85 321.77,180.85 v1(321.9,180.98) ; v1(321.08,170.2) 320.62,170.65 320.62,170.93 ; v1(323.85,177.68) 323.73,177.55 322.95,177.55 ; v1(323.77,173.62) 323.43,173.98 322.93,173.98 ; 313.6,170.28 313.6,169.65 v1(313.43,169.48) ; 188.69,180.75 v1(187.2,180.75)
  In1.Cu w0.203: v1(216.52,181.88) 216.52,181.33 221.6,176.25 226.74,176.25 229.37,173.62 234.39,173.62 235.75,174.98 235.75,175.48 v1(235.9,175.63) ; v1(320.4,184.43) 320.4,182.48 v1(321.9,180.98) 322,180.98 323.85,179.13 v1(323.85,177.68) 323.47,177.29 323.47,173.93 v1(323.77,173.62) 323.77,172.9 v1(321.08,170.2) 319.38,168.5 v1(317.33,168.5) 316.35,169.48 v1(313.43,169.48)
  In2.Cu w0.203: v1(313.43,169.48) 313.38,169.48 306.56,176.29 236.44,176.29 235.9,175.75 v1(235.9,175.63) ; v1(187.2,180.75) 179.8,180.75 179.2,181.35 179.2,182.05 179.72,182.57 215.84,182.57 v1(216.52,181.88)
Net-(U5-ISET): length 6.7
  Top w0.203: U5.13 97.57,86.65 97.16,86.24 97.16,85.48 96.65,84.97 93.98,84.97 93.6,84.59 R27.2
Net-(U5-~{SDB}): length 121.2
  Top w0.203: v1(55.63,18.1) 56.58,18.1 ; v1(97.16,87.25) 97.41,87.25 97.6,87.44 98.16,87.44
  Bottom w0.203: v1(97.16,87.25) 93.27,87.25 92.66,86.64 92.66,12.78 91.54,11.66 61.31,11.66 56.14,16.83 56.14,17.59 v1(55.63,18.1)
Net-(U6-ISET): length 6.8
  Top w0.2: R71.2 236.28,41.03 239.14,41.03 239.59,41.47 239.59,43.25
  Top w0.203: 239.59,43.25 239.81,43.47 U6.13
Net-(U6-~{SDB}): length 218.8
  Top w0.203: v1(236.98,42.93) 237.03,42.93 237.47,43.37 238.95,43.37 239.85,44.27 U6.11 ; v1(55.63,15.56) 56.58,15.56
  Bottom w0.203: v1(236.98,42.93) 235.84,42.93 234.82,41.91 234.82,12.2 233.56,10.94 61,10.94 56.38,15.56 v1(55.63,15.56)
Net-(U7-ISET): length 6.7
  Top w0.203: R115.2 344.55,162.56 344.17,162.18 341.5,162.18 341,161.68 341,160.91 340.58,160.5 U7.13
Net-(U7-~{SDB}): length 483
  Top w0.203: v1(55.63,13.02) 56.58,13.02 56.64,13.09 ; v1(341.12,159.9) 340.93,159.7 U7.11
  Bottom w0.203: v1(341.12,159.9) 341.99,159.9 344.1,157.79 358.82,157.79 361.59,155.01 361.59,7.66 358.36,4.42 324.06,4.42 318.28,10.21 60.7,10.21 57.9,13.02 v1(55.63,13.02)
Net-(U12-ISET): length 4.8
  Top w0.203: R149.2 204.3,174.55 203.7,173.95 200.8,173.95 200.6,173.75 U12.13
Net-(U12-~{SDB}): length 305.5
  Top w0.203: v1(205.7,173.74) 205.55,173.59 201.24,173.59 200.6,172.95 U12.11 ; v1(45.89,27.05) 45.89,27.78 R147.2
  In1.Cu w0.203: v1(200.4,157.85) 199.65,157.85 199.07,157.27 194.5,157.27 193.32,158.45 v1(190.9,158.45) ; v1(96.08,137.1) 96.83,137.85 98.51,137.85 101.1,135.26 v1(101.31,135.26)
  In2.Cu w0.203: v1(200.4,157.85) 200.4,159.2 202.56,161.36 202.56,165.9 201.46,167 201.46,170.11 204.4,173.05 205.01,173.05 v1(205.7,173.74) ; v1(45.89,27.05) 45.89,30.23 48.43,32.77 87.6,32.77 89,34.17 89,98.17 96.53,105.7 96.53,136.48 96.53,136.48 96.08,136.92 v1(96.08,137.1) ; v1(101.31,135.26) 103.47,137.41 110.05,137.41 113.36,134.11 116.85,130.61 124.05,130.61 125.21,129.46 125.65,129.01 134.45,129.01 135.49,130.06 136.25,130.81 142.85,130.81 145.59,133.56 148.25,136.21 149.15,136.21 151.29,138.36 156.05,143.11 158.75,143.11 161.64,146.01 165.25,149.61 168.95,149.61 171.49,152.16 173.62,154.28 186.01,154.28 186.17,154.45 190.51,154.45 190.9,154.84 v1(190.9,158.45)
unconnected-(R52-Pad2): length 0.6
  Top w0.203: 111.25,80.65 v1(111.89,80.65)
unconnected-(R53-Pad2): length 1.5
  Top w0.203: R53.2 v1(110.74,81.41)
unconnected-(R54-Pad2): length 0.6
  Top w0.203: 111.25,82.17 v1(111.89,82.17)
unconnected-(R93-Pad2): length 0.6
  Top w0.203: R93.2 v1(254.13,43.57)
unconnected-(R94-Pad2): length 0.6
  Top w0.203: R94.2 v1(254.13,42.04)
unconnected-(R95-Pad2): length 1.5
  Top w0.203: 251.46,42.8 v1(252.98,42.8)
unconnected-(R96-Pad2): length 0.6
  Top w0.203: R96.2 v1(254.13,37.47)
  In2.Cu w0.203: v1(254.13,37.47) 254.13,37.48
unconnected-(R97-Pad2): length 1.5
  Top w0.203: 251.46,38.23 v1(252.98,38.23)
unconnected-(R98-Pad2): length 0.6
  Top w0.203: R98.2 v1(254.13,38.99)
  In2.Cu w0.203: v1(254.13,38.99) 254.13,39
unconnected-(R109-Pad2): length 0.8
  Top w0.203: R109.2 v1(346.2,156.85)
unconnected-(R145-Pad2): length 1.5
  Top w0.203: R145.2 v1(344.93,156.09)
unconnected-(R146-Pad2): length 0.8
  Top w0.203: R146.2 v1(346.2,155.32)

## Copper pours and planes (outline as drawn; the poured copper is in the pictures)
GND on Top: 4.06,105.71 33.27,105.71 33.27,95.8 4.06,95.8
GND on Top: 232.41,34.04 255.27,34.04 255.27,56.9 232.41,56.9
GND on Top: 90.17,77.22 113.03,77.22 113.03,100.08 90.17,100.08
GND on Top: 185.12,160.25 185.12,183.11 207.98,183.11 207.98,160.25
GND on Top: 325.12,147.07 347.98,147.07 347.98,169.93 325.12,169.93
GND on Top: 4.06,140 33.27,140 33.27,108.25 4.06,108.25
GND on Top, Bottom, In1.Cu: 0.51,35.31 0.51,0.51 21.21,0.51 21.21,6.46 62.99,6.48 62.99,35.31
GND on Bottom: 232.41,34.04 255.27,34.04 255.27,56.9 232.41,56.9
GND on Bottom: 185.12,183.11 207.98,183.11 207.98,160.25 185.12,160.25
GND on Bottom: 325.12,147.07 347.98,147.07 347.98,169.93 325.12,169.93
GND on Bottom: 90.17,77.22 113.03,77.22 113.03,100.08 90.17,100.08
GND on In1.Cu, In2.Cu: -4.5,194.05 368.9,194.05 369.1,-4.35 -5,-4.35
VBUS on Top: 7.32,9.66 5.69,9.66 4.57,10.77 4.57,14.13 5.69,15.24 7.32,15.24 7.32,14.53 5.89,14.53 5.38,14.02 5.38,10.82 5.89,10.32 7.32,10.32

## Text on the board
B.Silkscreen: SCL | SDA | +5V | GND | Power Mount
F.Silkscreen: Toggle | 5v | 3.3v | OTA | WiFi | Error | Update | Restart | Live Traffic Map / Version 2 Rev 1 / outsideopen.com/lab | Light | Medium | Heavy | Current Traffic Direction | Traffic Level Key | Goleta | Outside Open | Santa Barbara | Santa Cruz Island | Anacapa Island | Ventura | Ojai | Moorpark | Thousand Oaks | Malibu | Santa Monica | Santa Clarita | Glendale | Long Beach | Anaheim | Los Angeles
